# Altium PCB PCB2.PcbDoc (part 8 of 16) (continued)
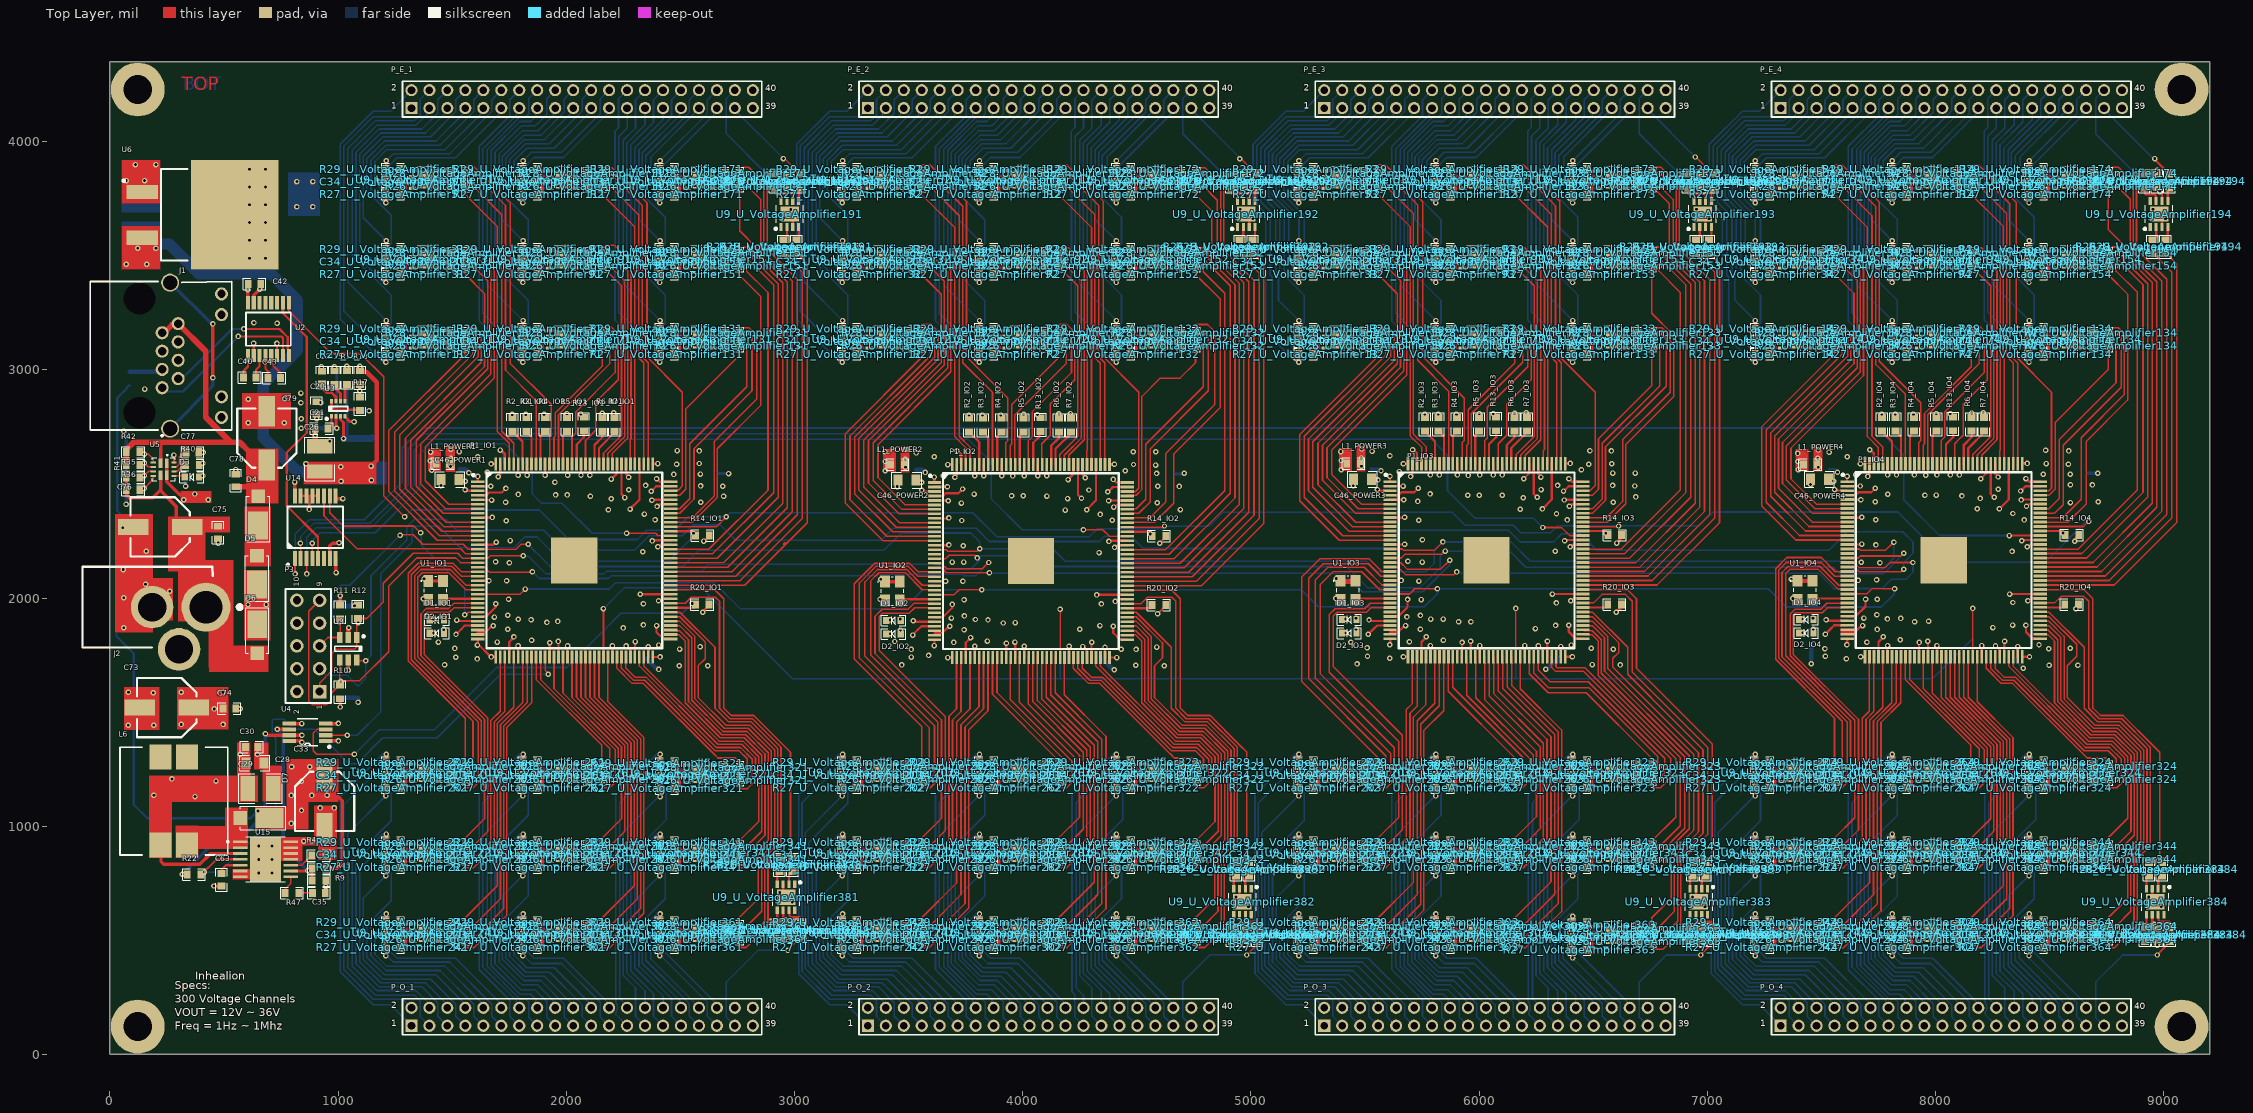
[diagram p0: Top Layer view]
## Nets (pads, with @x,y where several pads share a name; then routed paths per layer and width w, separated by ;. In a path a pad name is that pad's centre, name@x,y a point inside that pad or via, vN(x,y) a via of type N, cw(c..) or ccw(c..) an arc to the next point about the centre after c; other vN are vias at no path point) (continued)
NetR27_U_VoltageAmplifier262_1: R27_U_VoltageAmplifier262.1 U9_U_VoltageAmplifier262.7 | length 101
  Top Layer w10: R27_U_VoltageAmplifier262.1@3870.09,1169.18 3873.09,1172.18 3894.23,1172.18 3897.09,1175.04 3897.09,1213.43 3902.94,1219.29 3925.2,1219.29 U9_U_VoltageAmplifier262.7@3927.09,1221.18
NetR27_U_VoltageAmplifier263_1: R27_U_VoltageAmplifier263.1 U9_U_VoltageAmplifier263.7 | length 101
  Top Layer w10: R27_U_VoltageAmplifier263.1@5870.09,1169.18 5873.09,1172.18 5894.23,1172.18 5897.09,1175.04 5897.09,1213.43 5902.94,1219.29 5925.2,1219.29 U9_U_VoltageAmplifier263.7@5927.09,1221.18
NetR27_U_VoltageAmplifier264_1: R27_U_VoltageAmplifier264.1 U9_U_VoltageAmplifier264.7 | length 101
  Top Layer w10: R27_U_VoltageAmplifier264.1@7870.09,1169.18 7873.09,1172.18 7894.23,1172.18 7897.09,1175.04 7897.09,1213.43 7902.94,1219.29 7925.2,1219.29 U9_U_VoltageAmplifier264.7@7927.09,1221.18
NetR27_U_VoltageAmplifier271_1: R27_U_VoltageAmplifier271.1 U9_U_VoltageAmplifier271.7 | length 71.9
  Bottom Layer w10: R27_U_VoltageAmplifier271.1@1870.09,1279.18 1870.09,1276.68 1880.09,1266.68 1890.53,1266.68 1908.55,1248.66 1925.2,1248.66 U9_U_VoltageAmplifier271.7@1927.09,1246.77
NetR27_U_VoltageAmplifier272_1: R27_U_VoltageAmplifier272.1 U9_U_VoltageAmplifier272.7 | length 71.9
  Bottom Layer w10: R27_U_VoltageAmplifier272.1@3870.09,1279.18 3870.09,1276.68 3880.09,1266.68 3890.53,1266.68 3908.55,1248.66 3925.2,1248.66 U9_U_VoltageAmplifier272.7@3927.09,1246.77
NetR27_U_VoltageAmplifier273_1: R27_U_VoltageAmplifier273.1 U9_U_VoltageAmplifier273.7 | length 71.9
  Bottom Layer w10: R27_U_VoltageAmplifier273.1@5870.09,1279.18 5870.09,1276.68 5880.09,1266.68 5890.53,1266.68 5908.55,1248.66 5925.2,1248.66 U9_U_VoltageAmplifier273.7@5927.09,1246.77
NetR27_U_VoltageAmplifier274_1: R27_U_VoltageAmplifier274.1 U9_U_VoltageAmplifier274.7 | length 71.9
  Bottom Layer w10: R27_U_VoltageAmplifier274.1@7870.09,1279.18 7870.09,1276.68 7880.09,1266.68 7890.53,1266.68 7908.55,1248.66 7925.2,1248.66 U9_U_VoltageAmplifier274.7@7927.09,1246.77
NetR27_U_VoltageAmplifier281_1: R27_U_VoltageAmplifier281.1 U9_U_VoltageAmplifier281.7 | length 101
  Top Layer w10: R27_U_VoltageAmplifier281.1@1870.09,819.18 1873.09,822.18 1894.23,822.18 1897.09,825.04 1897.09,863.43 1902.94,869.29 1925.2,869.29 U9_U_VoltageAmplifier281.7@1927.09,871.18
NetR27_U_VoltageAmplifier282_1: R27_U_VoltageAmplifier282.1 U9_U_VoltageAmplifier282.7 | length 101
  Top Layer w10: R27_U_VoltageAmplifier282.1@3870.09,819.18 3873.09,822.18 3894.23,822.18 3897.09,825.04 3897.09,863.43 3902.94,869.29 3925.2,869.29 U9_U_VoltageAmplifier282.7@3927.09,871.18
NetR27_U_VoltageAmplifier283_1: R27_U_VoltageAmplifier283.1 U9_U_VoltageAmplifier283.7 | length 101
  Top Layer w10: R27_U_VoltageAmplifier283.1@5870.09,819.18 5873.09,822.18 5894.23,822.18 5897.09,825.04 5897.09,863.43 5902.94,869.29 5925.2,869.29 U9_U_VoltageAmplifier283.7@5927.09,871.18
NetR27_U_VoltageAmplifier284_1: R27_U_VoltageAmplifier284.1 U9_U_VoltageAmplifier284.7 | length 101
  Top Layer w10: R27_U_VoltageAmplifier284.1@7870.09,819.18 7873.09,822.18 7894.23,822.18 7897.09,825.04 7897.09,863.43 7902.94,869.29 7925.2,869.29 U9_U_VoltageAmplifier284.7@7927.09,871.18
NetR27_U_VoltageAmplifier291_1: R27_U_VoltageAmplifier291.1 U9_U_VoltageAmplifier291.7 | length 71.9
  Bottom Layer w10: R27_U_VoltageAmplifier291.1@1870.09,929.18 1870.09,926.68 1880.09,916.68 1890.53,916.68 1908.55,898.66 1925.2,898.66 U9_U_VoltageAmplifier291.7@1927.09,896.77
NetR27_U_VoltageAmplifier292_1: R27_U_VoltageAmplifier292.1 U9_U_VoltageAmplifier292.7 | length 71.9
  Bottom Layer w10: R27_U_VoltageAmplifier292.1@3870.09,929.18 3870.09,926.68 3880.09,916.68 3890.53,916.68 3908.55,898.66 3925.2,898.66 U9_U_VoltageAmplifier292.7@3927.09,896.77
NetR27_U_VoltageAmplifier293_1: R27_U_VoltageAmplifier293.1 U9_U_VoltageAmplifier293.7 | length 71.9
  Bottom Layer w10: R27_U_VoltageAmplifier293.1@5870.09,929.18 5870.09,926.68 5880.09,916.68 5890.53,916.68 5908.55,898.66 5925.2,898.66 U9_U_VoltageAmplifier293.7@5927.09,896.77
NetR27_U_VoltageAmplifier294_1: R27_U_VoltageAmplifier294.1 U9_U_VoltageAmplifier294.7 | length 71.9
  Bottom Layer w10: R27_U_VoltageAmplifier294.1@7870.09,929.18 7870.09,926.68 7880.09,916.68 7890.53,916.68 7908.55,898.66 7925.2,898.66 U9_U_VoltageAmplifier294.7@7927.09,896.77
NetR27_U_VoltageAmplifier301_1: R27_U_VoltageAmplifier301.1 U9_U_VoltageAmplifier301.7 | length 101
  Top Layer w10: R27_U_VoltageAmplifier301.1@1870.09,469.18 1873.09,472.18 1894.23,472.18 1897.09,475.04 1897.09,513.43 1902.94,519.29 1925.2,519.29 U9_U_VoltageAmplifier301.7@1927.09,521.18
NetR27_U_VoltageAmplifier302_1: R27_U_VoltageAmplifier302.1 U9_U_VoltageAmplifier302.7 | length 101
  Top Layer w10: R27_U_VoltageAmplifier302.1@3870.09,469.18 3873.09,472.18 3894.23,472.18 3897.09,475.04 3897.09,513.43 3902.94,519.29 3925.2,519.29 U9_U_VoltageAmplifier302.7@3927.09,521.18
NetR27_U_VoltageAmplifier303_1: R27_U_VoltageAmplifier303.1 U9_U_VoltageAmplifier303.7 | length 101
  Top Layer w10: R27_U_VoltageAmplifier303.1@5870.09,469.18 5873.09,472.18 5894.23,472.18 5897.09,475.04 5897.09,513.43 5902.94,519.29 5925.2,519.29 U9_U_VoltageAmplifier303.7@5927.09,521.18
NetR27_U_VoltageAmplifier304_1: R27_U_VoltageAmplifier304.1 U9_U_VoltageAmplifier304.7 | length 101
  Top Layer w10: R27_U_VoltageAmplifier304.1@7870.09,469.18 7873.09,472.18 7894.23,472.18 7897.09,475.04 7897.09,513.43 7902.94,519.29 7925.2,519.29 U9_U_VoltageAmplifier304.7@7927.09,521.18
NetR27_U_VoltageAmplifier311_1: R27_U_VoltageAmplifier311.1 U9_U_VoltageAmplifier311.7 | length 71.9
  Bottom Layer w10: R27_U_VoltageAmplifier311.1@1870.09,579.18 1870.09,576.68 1880.09,566.68 1890.53,566.68 1908.55,548.66 1925.2,548.66 U9_U_VoltageAmplifier311.7@1927.09,546.77
NetR27_U_VoltageAmplifier312_1: R27_U_VoltageAmplifier312.1 U9_U_VoltageAmplifier312.7 | length 71.9
  Bottom Layer w10: R27_U_VoltageAmplifier312.1@3870.09,579.18 3870.09,576.68 3880.09,566.68 3890.53,566.68 3908.55,548.66 3925.2,548.66 U9_U_VoltageAmplifier312.7@3927.09,546.77
NetR27_U_VoltageAmplifier313_1: R27_U_VoltageAmplifier313.1 U9_U_VoltageAmplifier313.7 | length 71.9
  Bottom Layer w10: R27_U_VoltageAmplifier313.1@5870.09,579.18 5870.09,576.68 5880.09,566.68 5890.53,566.68 5908.55,548.66 5925.2,548.66 U9_U_VoltageAmplifier313.7@5927.09,546.77
NetR27_U_VoltageAmplifier314_1: R27_U_VoltageAmplifier314.1 U9_U_VoltageAmplifier314.7 | length 71.9
  Bottom Layer w10: R27_U_VoltageAmplifier314.1@7870.09,579.18 7870.09,576.68 7880.09,566.68 7890.53,566.68 7908.55,548.66 7925.2,548.66 U9_U_VoltageAmplifier314.7@7927.09,546.77
NetR27_U_VoltageAmplifier321_1: R27_U_VoltageAmplifier321.1 U9_U_VoltageAmplifier321.7 | length 101
  Top Layer w10: R27_U_VoltageAmplifier321.1@2471.26,1165.59 2474.26,1168.59 2495.4,1168.59 2498.26,1171.45 2498.26,1209.84 2504.12,1215.7 2526.37,1215.7 U9_U_VoltageAmplifier321.7@2528.26,1217.59
NetR27_U_VoltageAmplifier322_1: R27_U_VoltageAmplifier322.1 U9_U_VoltageAmplifier322.7 | length 101
  Top Layer w10: R27_U_VoltageAmplifier322.1@4470.09,1169.18 4473.09,1172.18 4494.23,1172.18 4497.09,1175.04 4497.09,1213.43 4502.94,1219.29 4525.2,1219.29 U9_U_VoltageAmplifier322.7@4527.09,1221.18
NetR27_U_VoltageAmplifier323_1: R27_U_VoltageAmplifier323.1 U9_U_VoltageAmplifier323.7 | length 101
  Top Layer w10: R27_U_VoltageAmplifier323.1@6470.09,1169.18 6473.09,1172.18 6494.23,1172.18 6497.09,1175.04 6497.09,1213.43 6502.94,1219.29 6525.2,1219.29 U9_U_VoltageAmplifier323.7@6527.09,1221.18
NetR27_U_VoltageAmplifier324_1: R27_U_VoltageAmplifier324.1 U9_U_VoltageAmplifier324.7 | length 101
  Top Layer w10: R27_U_VoltageAmplifier324.1@8470.09,1169.18 8473.09,1172.18 8494.23,1172.18 8497.09,1175.04 8497.09,1213.43 8502.94,1219.29 8525.2,1219.29 U9_U_VoltageAmplifier324.7@8527.09,1221.18
NetR27_U_VoltageAmplifier331_1: R27_U_VoltageAmplifier331.1 U9_U_VoltageAmplifier331.7 | length 71.9
  Bottom Layer w10: R27_U_VoltageAmplifier331.1@2471.26,1275.59 2471.26,1273.09 2481.26,1263.09 2491.7,1263.09 2509.72,1245.07 2526.37,1245.07 U9_U_VoltageAmplifier331.7@2528.26,1243.18
NetR27_U_VoltageAmplifier332_1: R27_U_VoltageAmplifier332.1 U9_U_VoltageAmplifier332.7 | length 71.9
  Bottom Layer w10: R27_U_VoltageAmplifier332.1@4470.09,1279.18 4470.09,1276.68 4480.09,1266.68 4490.53,1266.68 4508.55,1248.66 4525.2,1248.66 U9_U_VoltageAmplifier332.7@4527.09,1246.77
NetR27_U_VoltageAmplifier333_1: R27_U_VoltageAmplifier333.1 U9_U_VoltageAmplifier333.7 | length 71.9
  Bottom Layer w10: R27_U_VoltageAmplifier333.1@6470.09,1279.18 6470.09,1276.68 6480.09,1266.68 6490.53,1266.68 6508.55,1248.66 6525.2,1248.66 U9_U_VoltageAmplifier333.7@6527.09,1246.77
NetR27_U_VoltageAmplifier334_1: R27_U_VoltageAmplifier334.1 U9_U_VoltageAmplifier334.7 | length 71.9
  Bottom Layer w10: R27_U_VoltageAmplifier334.1@8470.09,1279.18 8470.09,1276.68 8480.09,1266.68 8490.53,1266.68 8508.55,1248.66 8525.2,1248.66 U9_U_VoltageAmplifier334.7@8527.09,1246.77
NetR27_U_VoltageAmplifier341_1: R27_U_VoltageAmplifier341.1 U9_U_VoltageAmplifier341.7 | length 101
  Top Layer w10: R27_U_VoltageAmplifier341.1@2470.09,819.18 2473.09,822.18 2494.23,822.18 2497.09,825.04 2497.09,863.43 2502.94,869.29 2525.2,869.29 U9_U_VoltageAmplifier341.7@2527.09,871.18
NetR27_U_VoltageAmplifier342_1: R27_U_VoltageAmplifier342.1 U9_U_VoltageAmplifier342.7 | length 101
  Top Layer w10: R27_U_VoltageAmplifier342.1@4470.09,819.18 4473.09,822.18 4494.23,822.18 4497.09,825.04 4497.09,863.43 4502.94,869.29 4525.2,869.29 U9_U_VoltageAmplifier342.7@4527.09,871.18
NetR27_U_VoltageAmplifier343_1: R27_U_VoltageAmplifier343.1 U9_U_VoltageAmplifier343.7 | length 101
  Top Layer w10: R27_U_VoltageAmplifier343.1@6470.09,819.18 6473.09,822.18 6494.23,822.18 6497.09,825.04 6497.09,863.43 6502.94,869.29 6525.2,869.29 U9_U_VoltageAmplifier343.7@6527.09,871.18
NetR27_U_VoltageAmplifier344_1: R27_U_VoltageAmplifier344.1 U9_U_VoltageAmplifier344.7 | length 101
  Top Layer w10: R27_U_VoltageAmplifier344.1@8470.09,819.18 8473.09,822.18 8494.23,822.18 8497.09,825.04 8497.09,863.43 8502.94,869.29 8525.2,869.29 U9_U_VoltageAmplifier344.7@8527.09,871.18
NetR27_U_VoltageAmplifier351_1: R27_U_VoltageAmplifier351.1 U9_U_VoltageAmplifier351.7 | length 71.9
  Bottom Layer w10: R27_U_VoltageAmplifier351.1@2470.09,929.18 2470.09,926.68 2480.09,916.68 2490.53,916.68 2508.55,898.66 2525.2,898.66 U9_U_VoltageAmplifier351.7@2527.09,896.77
NetR27_U_VoltageAmplifier352_1: R27_U_VoltageAmplifier352.1 U9_U_VoltageAmplifier352.7 | length 71.9
  Bottom Layer w10: R27_U_VoltageAmplifier352.1@4470.09,929.18 4470.09,926.68 4480.09,916.68 4490.53,916.68 4508.55,898.66 4525.2,898.66 U9_U_VoltageAmplifier352.7@4527.09,896.77
NetR27_U_VoltageAmplifier353_1: R27_U_VoltageAmplifier353.1 U9_U_VoltageAmplifier353.7 | length 71.9
  Bottom Layer w10: R27_U_VoltageAmplifier353.1@6470.09,929.18 6470.09,926.68 6480.09,916.68 6490.53,916.68 6508.55,898.66 6525.2,898.66 U9_U_VoltageAmplifier353.7@6527.09,896.77
NetR27_U_VoltageAmplifier354_1: R27_U_VoltageAmplifier354.1 U9_U_VoltageAmplifier354.7 | length 71.9
  Bottom Layer w10: R27_U_VoltageAmplifier354.1@8470.09,929.18 8470.09,926.68 8480.09,916.68 8490.53,916.68 8508.55,898.66 8525.2,898.66 U9_U_VoltageAmplifier354.7@8527.09,896.77
NetR27_U_VoltageAmplifier361_1: R27_U_VoltageAmplifier361.1 U9_U_VoltageAmplifier361.7 | length 101
  Top Layer w10: R27_U_VoltageAmplifier361.1@2470.09,469.18 2473.09,472.18 2494.23,472.18 2497.09,475.04 2497.09,513.43 2502.94,519.29 2525.2,519.29 U9_U_VoltageAmplifier361.7@2527.09,521.18
NetR27_U_VoltageAmplifier362_1: R27_U_VoltageAmplifier362.1 U9_U_VoltageAmplifier362.7 | length 101
  Top Layer w10: R27_U_VoltageAmplifier362.1@4470.09,469.18 4473.09,472.18 4494.23,472.18 4497.09,475.04 4497.09,513.43 4502.94,519.29 4525.2,519.29 U9_U_VoltageAmplifier362.7@4527.09,521.18
NetR27_U_VoltageAmplifier363_1: R27_U_VoltageAmplifier363.1 U9_U_VoltageAmplifier363.7 | length 101
  Top Layer w10: R27_U_VoltageAmplifier363.1@6470.09,459.18 6473.09,462.18 6494.23,462.18 6497.09,465.04 6497.09,503.43 6502.94,509.29 6525.2,509.29 U9_U_VoltageAmplifier363.7@6527.09,511.18
NetR27_U_VoltageAmplifier364_1: R27_U_VoltageAmplifier364.1 U9_U_VoltageAmplifier364.7 | length 101
  Top Layer w10: R27_U_VoltageAmplifier364.1@8470.09,469.18 8473.09,472.18 8494.23,472.18 8497.09,475.04 8497.09,513.43 8502.94,519.29 8525.2,519.29 U9_U_VoltageAmplifier364.7@8527.09,521.18
NetR27_U_VoltageAmplifier371_1: R27_U_VoltageAmplifier371.1 U9_U_VoltageAmplifier371.7 | length 71.9
  Bottom Layer w10: R27_U_VoltageAmplifier371.1@2470.09,579.18 2470.09,576.68 2480.09,566.68 2490.53,566.68 2508.55,548.66 2525.2,548.66 U9_U_VoltageAmplifier371.7@2527.09,546.77
NetR27_U_VoltageAmplifier372_1: R27_U_VoltageAmplifier372.1 U9_U_VoltageAmplifier372.7 | length 71.9
  Bottom Layer w10: R27_U_VoltageAmplifier372.1@4470.09,579.18 4470.09,576.68 4480.09,566.68 4490.53,566.68 4508.55,548.66 4525.2,548.66 U9_U_VoltageAmplifier372.7@4527.09,546.77
NetR27_U_VoltageAmplifier373_1: R27_U_VoltageAmplifier373.1 U9_U_VoltageAmplifier373.7 | length 71.9
  Bottom Layer w10: R27_U_VoltageAmplifier373.1@6470.09,569.18 6470.09,566.68 6480.09,556.68 6490.53,556.68 6508.55,538.66 6525.2,538.66 U9_U_VoltageAmplifier373.7@6527.09,536.77
NetR27_U_VoltageAmplifier374_1: R27_U_VoltageAmplifier374.1 U9_U_VoltageAmplifier374.7 | length 71.9
  Bottom Layer w10: R27_U_VoltageAmplifier374.1@8470.09,579.18 8470.09,576.68 8480.09,566.68 8490.53,566.68 8508.55,548.66 8525.2,548.66 U9_U_VoltageAmplifier374.7@8527.09,546.77
NetR27_U_VoltageAmplifier381_1: R27_U_VoltageAmplifier381.1 U9_U_VoltageAmplifier381.7 | length 101
  Top Layer w10: U9_U_VoltageAmplifier381.7@2975.67,631.42 2977.56,629.53 2977.56,607.28 2983.42,601.42 3021.81,601.42 3024.67,598.56 3024.67,577.42 R27_U_VoltageAmplifier381.1@3027.67,574.42
NetR27_U_VoltageAmplifier382_1: R27_U_VoltageAmplifier382.1 U9_U_VoltageAmplifier382.7 | length 101
  Top Layer w10: U9_U_VoltageAmplifier382.7@4975.67,611.42 4977.56,609.53 4977.56,587.28 4983.42,581.42 5021.81,581.42 5024.67,578.56 5024.67,557.42 R27_U_VoltageAmplifier382.1@5027.67,554.42
NetR27_U_VoltageAmplifier383_1: R27_U_VoltageAmplifier383.1 U9_U_VoltageAmplifier383.7 | length 101
  Top Layer w10: U9_U_VoltageAmplifier383.7@6975.67,611.42 6977.56,609.53 6977.56,587.28 6983.42,581.42 7021.81,581.42 7024.67,578.56 7024.67,557.42 R27_U_VoltageAmplifier383.1@7027.67,554.42
NetR27_U_VoltageAmplifier384_1: R27_U_VoltageAmplifier384.1 U9_U_VoltageAmplifier384.7 | length 101
  Top Layer w10: U9_U_VoltageAmplifier384.7@8975.67,611.42 8977.56,609.53 8977.56,587.28 8983.42,581.42 9021.81,581.42 9024.67,578.56 9024.67,557.42 R27_U_VoltageAmplifier384.1@9027.67,554.42
NetR28_U_VoltageAmplifier11_2: R28_U_VoltageAmplifier11.2 U9_U_VoltageAmplifier11.4 | length 60.2
  Top Layer w10: U9_U_VoltageAmplifier11.4@1441.26,3172.36 1487.09,3172.36 1497.09,3162.36 R28_U_VoltageAmplifier11.2@1497.09,3162.18
NetR28_U_VoltageAmplifier12_2: R28_U_VoltageAmplifier12.2 U9_U_VoltageAmplifier12.4 | length 60.2
  Top Layer w10: U9_U_VoltageAmplifier12.4@3441.26,3172.36 3487.09,3172.36 3497.09,3162.36 R28_U_VoltageAmplifier12.2@3497.09,3162.18
NetR28_U_VoltageAmplifier13_2: R28_U_VoltageAmplifier13.2 U9_U_VoltageAmplifier13.4 | length 60.2
  Top Layer w10: U9_U_VoltageAmplifier13.4@5441.26,3172.36 5487.09,3172.36 5497.09,3162.36 R28_U_VoltageAmplifier13.2@5497.09,3162.18
NetR28_U_VoltageAmplifier14_2: R28_U_VoltageAmplifier14.2 U9_U_VoltageAmplifier14.4 | length 60.2
  Top Layer w10: U9_U_VoltageAmplifier14.4@7441.26,3172.36 7487.09,3172.36 7497.09,3162.36 R28_U_VoltageAmplifier14.2@7497.09,3162.18
NetR28_U_VoltageAmplifier21_2: R28_U_VoltageAmplifier21.2 U9_U_VoltageAmplifier21.4 | length 59.8
  Bottom Layer w10: U9_U_VoltageAmplifier21.4@1441.26,3095.59 1487.5,3095.59 R28_U_VoltageAmplifier21.2@1497.09,3105.18
NetR28_U_VoltageAmplifier22_2: R28_U_VoltageAmplifier22.2 U9_U_VoltageAmplifier22.4 | length 59.8
  Bottom Layer w10: U9_U_VoltageAmplifier22.4@3441.26,3095.59 3487.5,3095.59 R28_U_VoltageAmplifier22.2@3497.09,3105.18
NetR28_U_VoltageAmplifier23_2: R28_U_VoltageAmplifier23.2 U9_U_VoltageAmplifier23.4 | length 59.8
  Bottom Layer w10: U9_U_VoltageAmplifier23.4@5441.26,3095.59 5487.5,3095.59 R28_U_VoltageAmplifier23.2@5497.09,3105.18
NetR28_U_VoltageAmplifier24_2: R28_U_VoltageAmplifier24.2 U9_U_VoltageAmplifier24.4 | length 59.8
  Bottom Layer w10: U9_U_VoltageAmplifier24.4@7441.26,3095.59 7487.5,3095.59 R28_U_VoltageAmplifier24.2@7497.09,3105.18
NetR28_U_VoltageAmplifier31_2: R28_U_VoltageAmplifier31.2 U9_U_VoltageAmplifier31.4 | length 60.2
  Top Layer w10: U9_U_VoltageAmplifier31.4@1441.26,3522.36 1487.09,3522.36 1497.09,3512.36 R28_U_VoltageAmplifier31.2@1497.09,3512.18
NetR28_U_VoltageAmplifier32_2: R28_U_VoltageAmplifier32.2 U9_U_VoltageAmplifier32.4 | length 60.2
  Top Layer w10: U9_U_VoltageAmplifier32.4@3441.26,3522.36 3487.09,3522.36 3497.09,3512.36 R28_U_VoltageAmplifier32.2@3497.09,3512.18
NetR28_U_VoltageAmplifier33_2: R28_U_VoltageAmplifier33.2 U9_U_VoltageAmplifier33.4 | length 60.2
  Top Layer w10: U9_U_VoltageAmplifier33.4@5441.26,3522.36 5487.09,3522.36 5497.09,3512.36 R28_U_VoltageAmplifier33.2@5497.09,3512.18
NetR28_U_VoltageAmplifier34_2: R28_U_VoltageAmplifier34.2 U9_U_VoltageAmplifier34.4 | length 60.2
  Top Layer w10: U9_U_VoltageAmplifier34.4@7441.26,3522.36 7487.09,3522.36 7497.09,3512.36 R28_U_VoltageAmplifier34.2@7497.09,3512.18
NetR28_U_VoltageAmplifier41_2: R28_U_VoltageAmplifier41.2 U9_U_VoltageAmplifier41.4 | length 59.8
  Bottom Layer w10: U9_U_VoltageAmplifier41.4@1441.26,3445.59 1487.5,3445.59 R28_U_VoltageAmplifier41.2@1497.09,3455.18
NetR28_U_VoltageAmplifier42_2: R28_U_VoltageAmplifier42.2 U9_U_VoltageAmplifier42.4 | length 59.8
  Bottom Layer w10: U9_U_VoltageAmplifier42.4@3441.26,3445.59 3487.5,3445.59 R28_U_VoltageAmplifier42.2@3497.09,3455.18
NetR28_U_VoltageAmplifier43_2: R28_U_VoltageAmplifier43.2 U9_U_VoltageAmplifier43.4 | length 59.8
  Bottom Layer w10: U9_U_VoltageAmplifier43.4@5441.26,3445.59 5487.5,3445.59 R28_U_VoltageAmplifier43.2@5497.09,3455.18
NetR28_U_VoltageAmplifier44_2: R28_U_VoltageAmplifier44.2 U9_U_VoltageAmplifier44.4 | length 59.8
  Bottom Layer w10: U9_U_VoltageAmplifier44.4@7441.26,3445.59 7487.5,3445.59 R28_U_VoltageAmplifier44.2@7497.09,3455.18
NetR28_U_VoltageAmplifier51_2: R28_U_VoltageAmplifier51.2 U9_U_VoltageAmplifier51.4 | length 60.2
  Top Layer w10: U9_U_VoltageAmplifier51.4@1441.26,3872.36 1487.09,3872.36 1497.09,3862.36 R28_U_VoltageAmplifier51.2@1497.09,3862.18
NetR28_U_VoltageAmplifier52_2: R28_U_VoltageAmplifier52.2 U9_U_VoltageAmplifier52.4 | length 60.2
  Top Layer w10: U9_U_VoltageAmplifier52.4@3441.26,3872.36 3487.09,3872.36 3497.09,3862.36 R28_U_VoltageAmplifier52.2@3497.09,3862.18
NetR28_U_VoltageAmplifier53_2: R28_U_VoltageAmplifier53.2 U9_U_VoltageAmplifier53.4 | length 60.2
  Top Layer w10: U9_U_VoltageAmplifier53.4@5441.26,3872.36 5487.09,3872.36 5497.09,3862.36 R28_U_VoltageAmplifier53.2@5497.09,3862.18
NetR28_U_VoltageAmplifier54_2: R28_U_VoltageAmplifier54.2 U9_U_VoltageAmplifier54.4 | length 60.2
  Top Layer w10: U9_U_VoltageAmplifier54.4@7441.26,3872.36 7487.09,3872.36 7497.09,3862.36 R28_U_VoltageAmplifier54.2@7497.09,3862.18
NetR28_U_VoltageAmplifier61_2: R28_U_VoltageAmplifier61.2 U9_U_VoltageAmplifier61.4 | length 59.8
  Bottom Layer w10: U9_U_VoltageAmplifier61.4@1441.26,3795.59 1487.5,3795.59 R28_U_VoltageAmplifier61.2@1497.09,3805.18
NetR28_U_VoltageAmplifier62_2: R28_U_VoltageAmplifier62.2 U9_U_VoltageAmplifier62.4 | length 59.8
  Bottom Layer w10: U9_U_VoltageAmplifier62.4@3441.26,3795.59 3487.5,3795.59 R28_U_VoltageAmplifier62.2@3497.09,3805.18
NetR28_U_VoltageAmplifier63_2: R28_U_VoltageAmplifier63.2 U9_U_VoltageAmplifier63.4 | length 59.8
  Bottom Layer w10: U9_U_VoltageAmplifier63.4@5441.26,3795.59 5487.5,3795.59 R28_U_VoltageAmplifier63.2@5497.09,3805.18
NetR28_U_VoltageAmplifier64_2: R28_U_VoltageAmplifier64.2 U9_U_VoltageAmplifier64.4 | length 59.8
  Bottom Layer w10: U9_U_VoltageAmplifier64.4@7441.26,3795.59 7487.5,3795.59 R28_U_VoltageAmplifier64.2@7497.09,3805.18
NetR28_U_VoltageAmplifier71_2: R28_U_VoltageAmplifier71.2 U9_U_VoltageAmplifier71.4 | length 60.2
  Top Layer w10: U9_U_VoltageAmplifier71.4@2041.26,3172.36 2087.09,3172.36 2097.09,3162.36 R28_U_VoltageAmplifier71.2@2097.09,3162.18
NetR28_U_VoltageAmplifier72_2: R28_U_VoltageAmplifier72.2 U9_U_VoltageAmplifier72.4 | length 60.2
  Top Layer w10: U9_U_VoltageAmplifier72.4@4041.26,3172.36 4087.09,3172.36 4097.09,3162.36 R28_U_VoltageAmplifier72.2@4097.09,3162.18
NetR28_U_VoltageAmplifier73_2: R28_U_VoltageAmplifier73.2 U9_U_VoltageAmplifier73.4 | length 60.2
  Top Layer w10: U9_U_VoltageAmplifier73.4@6041.26,3172.36 6087.09,3172.36 6097.09,3162.36 R28_U_VoltageAmplifier73.2@6097.09,3162.18
NetR28_U_VoltageAmplifier74_2: R28_U_VoltageAmplifier74.2 U9_U_VoltageAmplifier74.4 | length 60.2
  Top Layer w10: U9_U_VoltageAmplifier74.4@8041.26,3172.36 8087.09,3172.36 8097.09,3162.36 R28_U_VoltageAmplifier74.2@8097.09,3162.18
NetR28_U_VoltageAmplifier81_2: R28_U_VoltageAmplifier81.2 U9_U_VoltageAmplifier81.4 | length 59.8
  Bottom Layer w10: U9_U_VoltageAmplifier81.4@2041.26,3095.59 2087.5,3095.59 R28_U_VoltageAmplifier81.2@2097.09,3105.18
NetR28_U_VoltageAmplifier82_2: R28_U_VoltageAmplifier82.2 U9_U_VoltageAmplifier82.4 | length 59.8
  Bottom Layer w10: U9_U_VoltageAmplifier82.4@4041.26,3095.59 4087.5,3095.59 R28_U_VoltageAmplifier82.2@4097.09,3105.18
NetR28_U_VoltageAmplifier83_2: R28_U_VoltageAmplifier83.2 U9_U_VoltageAmplifier83.4 | length 59.8
  Bottom Layer w10: U9_U_VoltageAmplifier83.4@6041.26,3095.59 6087.5,3095.59 R28_U_VoltageAmplifier83.2@6097.09,3105.18
NetR28_U_VoltageAmplifier84_2: R28_U_VoltageAmplifier84.2 U9_U_VoltageAmplifier84.4 | length 59.8
  Bottom Layer w10: U9_U_VoltageAmplifier84.4@8041.26,3095.59 8087.5,3095.59 R28_U_VoltageAmplifier84.2@8097.09,3105.18
NetR28_U_VoltageAmplifier91_2: R28_U_VoltageAmplifier91.2 U9_U_VoltageAmplifier91.4 | length 60.2
  Top Layer w10: U9_U_VoltageAmplifier91.4@2041.26,3522.36 2087.09,3522.36 2097.09,3512.36 R28_U_VoltageAmplifier91.2@2097.09,3512.18
NetR28_U_VoltageAmplifier92_2: R28_U_VoltageAmplifier92.2 U9_U_VoltageAmplifier92.4 | length 60.2
  Top Layer w10: U9_U_VoltageAmplifier92.4@4041.26,3522.36 4087.09,3522.36 4097.09,3512.36 R28_U_VoltageAmplifier92.2@4097.09,3512.18
NetR28_U_VoltageAmplifier93_2: R28_U_VoltageAmplifier93.2 U9_U_VoltageAmplifier93.4 | length 60.2
  Top Layer w10: U9_U_VoltageAmplifier93.4@6041.26,3522.36 6087.09,3522.36 6097.09,3512.36 R28_U_VoltageAmplifier93.2@6097.09,3512.18
NetR28_U_VoltageAmplifier94_2: R28_U_VoltageAmplifier94.2 U9_U_VoltageAmplifier94.4 | length 60.2
  Top Layer w10: U9_U_VoltageAmplifier94.4@8041.26,3522.36 8087.09,3522.36 8097.09,3512.36 R28_U_VoltageAmplifier94.2@8097.09,3512.18
NetR28_U_VoltageAmplifier101_2: R28_U_VoltageAmplifier101.2 U9_U_VoltageAmplifier101.4 | length 59.8
  Bottom Layer w10: U9_U_VoltageAmplifier101.4@2041.26,3445.59 2087.5,3445.59 R28_U_VoltageAmplifier101.2@2097.09,3455.18
NetR28_U_VoltageAmplifier102_2: R28_U_VoltageAmplifier102.2 U9_U_VoltageAmplifier102.4 | length 59.8
  Bottom Layer w10: U9_U_VoltageAmplifier102.4@4041.26,3445.59 4087.5,3445.59 R28_U_VoltageAmplifier102.2@4097.09,3455.18
NetR28_U_VoltageAmplifier103_2: R28_U_VoltageAmplifier103.2 U9_U_VoltageAmplifier103.4 | length 59.8
  Bottom Layer w10: U9_U_VoltageAmplifier103.4@6041.26,3445.59 6087.5,3445.59 R28_U_VoltageAmplifier103.2@6097.09,3455.18
NetR28_U_VoltageAmplifier104_2: R28_U_VoltageAmplifier104.2 U9_U_VoltageAmplifier104.4 | length 59.8
  Bottom Layer w10: U9_U_VoltageAmplifier104.4@8041.26,3445.59 8087.5,3445.59 R28_U_VoltageAmplifier104.2@8097.09,3455.18
NetR28_U_VoltageAmplifier111_2: R28_U_VoltageAmplifier111.2 U9_U_VoltageAmplifier111.4 | length 60.2
  Top Layer w10: U9_U_VoltageAmplifier111.4@2041.26,3872.36 2087.09,3872.36 2097.09,3862.36 R28_U_VoltageAmplifier111.2@2097.09,3862.18
NetR28_U_VoltageAmplifier112_2: R28_U_VoltageAmplifier112.2 U9_U_VoltageAmplifier112.4 | length 60.2
  Top Layer w10: U9_U_VoltageAmplifier112.4@4041.26,3872.36 4087.09,3872.36 4097.09,3862.36 R28_U_VoltageAmplifier112.2@4097.09,3862.18
NetR28_U_VoltageAmplifier113_2: R28_U_VoltageAmplifier113.2 U9_U_VoltageAmplifier113.4 | length 60.2
  Top Layer w10: U9_U_VoltageAmplifier113.4@6041.26,3872.36 6087.09,3872.36 6097.09,3862.36 R28_U_VoltageAmplifier113.2@6097.09,3862.18
NetR28_U_VoltageAmplifier114_2: R28_U_VoltageAmplifier114.2 U9_U_VoltageAmplifier114.4 | length 60.2
  Top Layer w10: U9_U_VoltageAmplifier114.4@8041.26,3872.36 8087.09,3872.36 8097.09,3862.36 R28_U_VoltageAmplifier114.2@8097.09,3862.18
NetR28_U_VoltageAmplifier121_2: R28_U_VoltageAmplifier121.2 U9_U_VoltageAmplifier121.4 | length 59.8
  Bottom Layer w10: U9_U_VoltageAmplifier121.4@2041.26,3795.59 2087.5,3795.59 R28_U_VoltageAmplifier121.2@2097.09,3805.18
NetR28_U_VoltageAmplifier122_2: R28_U_VoltageAmplifier122.2 U9_U_VoltageAmplifier122.4 | length 59.8
  Bottom Layer w10: U9_U_VoltageAmplifier122.4@4041.26,3795.59 4087.5,3795.59 R28_U_VoltageAmplifier122.2@4097.09,3805.18
NetR28_U_VoltageAmplifier123_2: R28_U_VoltageAmplifier123.2 U9_U_VoltageAmplifier123.4 | length 59.8
  Bottom Layer w10: U9_U_VoltageAmplifier123.4@6041.26,3795.59 6087.5,3795.59 R28_U_VoltageAmplifier123.2@6097.09,3805.18
NetR28_U_VoltageAmplifier124_2: R28_U_VoltageAmplifier124.2 U9_U_VoltageAmplifier124.4 | length 59.8
  Bottom Layer w10: U9_U_VoltageAmplifier124.4@8041.26,3795.59 8087.5,3795.59 R28_U_VoltageAmplifier124.2@8097.09,3805.18
NetR28_U_VoltageAmplifier131_2: R28_U_VoltageAmplifier131.2 U9_U_VoltageAmplifier131.4 | length 60.2
  Top Layer w10: U9_U_VoltageAmplifier131.4@2641.26,3172.36 2687.09,3172.36 2697.09,3162.36 R28_U_VoltageAmplifier131.2@2697.09,3162.18
NetR28_U_VoltageAmplifier132_2: R28_U_VoltageAmplifier132.2 U9_U_VoltageAmplifier132.4 | length 60.2
  Top Layer w10: U9_U_VoltageAmplifier132.4@4641.26,3172.36 4687.09,3172.36 4697.09,3162.36 R28_U_VoltageAmplifier132.2@4697.09,3162.18
NetR28_U_VoltageAmplifier133_2: R28_U_VoltageAmplifier133.2 U9_U_VoltageAmplifier133.4 | length 60.2
  Top Layer w10: U9_U_VoltageAmplifier133.4@6641.26,3172.36 6687.09,3172.36 6697.09,3162.36 R28_U_VoltageAmplifier133.2@6697.09,3162.18
NetR28_U_VoltageAmplifier134_2: R28_U_VoltageAmplifier134.2 U9_U_VoltageAmplifier134.4 | length 60.2
  Top Layer w10: U9_U_VoltageAmplifier134.4@8641.26,3172.36 8687.09,3172.36 8697.09,3162.36 R28_U_VoltageAmplifier134.2@8697.09,3162.18
NetR28_U_VoltageAmplifier141_2: R28_U_VoltageAmplifier141.2 U9_U_VoltageAmplifier141.4 | length 59.8
  Bottom Layer w10: U9_U_VoltageAmplifier141.4@2641.26,3095.59 2687.5,3095.59 R28_U_VoltageAmplifier141.2@2697.09,3105.18
NetR28_U_VoltageAmplifier142_2: R28_U_VoltageAmplifier142.2 U9_U_VoltageAmplifier142.4 | length 59.8
  Bottom Layer w10: U9_U_VoltageAmplifier142.4@4641.26,3095.59 4687.5,3095.59 R28_U_VoltageAmplifier142.2@4697.09,3105.18
NetR28_U_VoltageAmplifier143_2: R28_U_VoltageAmplifier143.2 U9_U_VoltageAmplifier143.4 | length 59.8
  Bottom Layer w10: U9_U_VoltageAmplifier143.4@6641.26,3095.59 6687.5,3095.59 R28_U_VoltageAmplifier143.2@6697.09,3105.18